# KiCad board Zynq_SoM.kicad_pcb (continued)
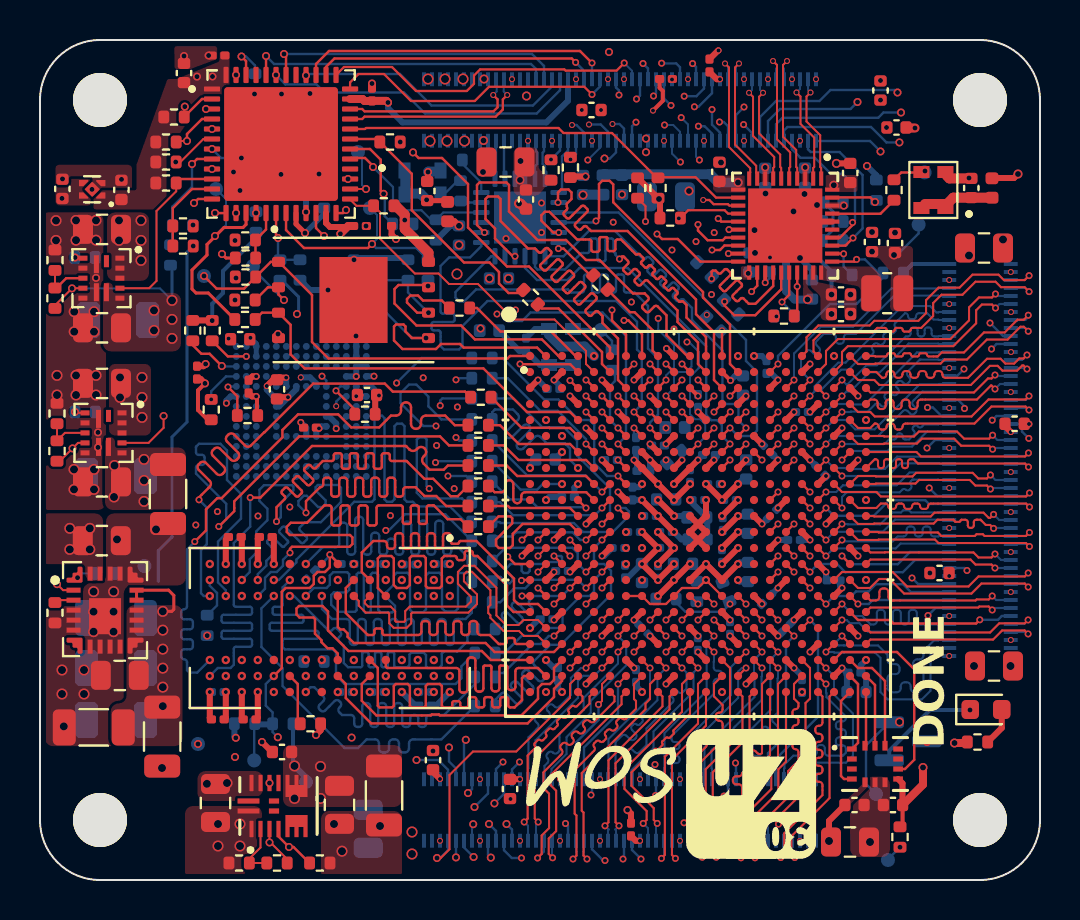
[diagram p0: board, top side]
## Routing (per net, layer and track width the routed paths; a pad name or vN(x,y) marks a point on that pad's centre or on a via; arc(x,y) is an arc through that point) (continued)
IO_L13_MRCC_N_34: length 6.3
  L1 (Sig) w0.104: U2.M20 v1(40.1,17.8)
  L8 (Sig) w0.104: v1(40.1,17.8) 40.37,17.8 40.39,17.78 42.01,17.78 42.61,18.38 43.05,18.38 43.16,18.48 43.45,18.48 43.56,18.38 44.91,18.38 44.93,18.4 J3.64
IO_L13_MRCC_N_35: length 11.1
  L1 (Sig) w0.104: v1(47.78,28.6) 47.6,28.77 47.09,28.77 46.81,28.49 46.81,27.84 45.66,26.69 40.39,26.69 40.1,26.4 40.1,25.8 U2.B20
  L8 (Sig) w0.104: v1(47.78,28.6) 47.97,28.8 J3.11
IO_L13_MRCC_P_13: length 7.8
  L1 (Sig) w0.104: U2.Y6 v1(28.1,10.6)
  L8 (Sig) w0.104: J2.29 24.8,5.57 24.78,5.59 24.78,6.99 26.9,9.11 26.9,9.95 27.16,10.21 27.71,10.21 v1(28.1,10.6)
IO_L13_MRCC_P_34: length 7.2
  L1 (Sig) w0.104: U2.M19 v1(39.3,17)
  L8 (Sig) w0.104: v1(39.3,17) 39.71,17.41 40.37,17.41 40.39,17.43 42.16,17.43 42.75,18.02 44.91,18.02 44.93,18 J3.66
IO_L13_MRCC_P_35: length 12.1
  L1 (Sig) w0.104: U2.B19 39.3,25.8 39.3,26.45 39.9,27.05 45.52,27.05 46.45,27.98 46.45,28.63 46.95,29.13 47.6,29.13 v1(47.78,29.3)
  L8 (Sig) w0.104: v1(47.78,29.3) 47.88,29.2 J3.9
IO_L14_N_SRCC_13: length 5.9
  L1 (Sig) w0.1: v1(27.93,8.78) 28.1,8.95 28.1,9.8 U2.AA6
  L8 (Sig) w0.12: v1(27.93,8.78) 27.93,8 26.8,6.88 J2.39
IO_L14_P_SRCC_13: length 6
  L1 (Sig) w0.1: U2.AA7 v1(28.9,9.8)
  L8 (Sig) w0.12: v1(28.9,9.8) 28.9,8.33 27.2,6.62 J2.41
IO_L14_SRCC_N_33: length 9.4
  L1 (Sig) w0.104: U2.Y16 v1(36.9,10.6)
  L8 (Sig) w0.104: v1(36.9,10.6) 36.9,10.1 36.88,10.07 36.88,8.36 36.65,8.13 arc(36.6,8.02) 36.65,7.91 36.87,7.69 arc(36.92,7.57) 36.87,7.46 36.81,7.4 arc(36.7,7.36) 36.59,7.4 36.37,7.62 arc(36.26,7.67) 36.14,7.62 36.09,7.57 arc(36.04,7.45) 36.09,7.34 36.3,7.12 arc(36.35,7.01) 36.3,6.9 36.25,6.84 arc(36.13,6.79) 36.02,6.84 35.8,7.06 arc(35.69,7.1) 35.58,7.06 35.58,6.37 arc(35.62,6.26) 35.74,6.21 35.94,6.21 arc(36.06,6.16) 36.1,6.05 36.1,5.97 arc(36.06,5.86) 35.94,5.81 35.74,5.81 arc(35.62,5.76) 35.58,5.65 35.58,5.59 35.6,5.57 J2.83
IO_L14_SRCC_N_34: length 7.5
  L1 (Sig) w0.104: U2.N20 v1(40.1,17)
  L8 (Sig) w0.104: v1(40.1,17) 40.17,16.93 42.64,16.93 42.88,17.18 43.17,17.18 arc(43.29,17.22) 43.33,17.34 43.33,17.52 arc(43.38,17.63) 43.49,17.68 43.57,17.68 arc(43.69,17.63) 43.73,17.52 43.73,17.34 arc(43.78,17.22) 43.89,17.18 43.97,17.18 arc(44.09,17.22) 44.13,17.34 44.13,17.52 arc(44.18,17.63) 44.29,17.68 44.37,17.68 arc(44.49,17.63) 44.53,17.52 44.53,17.34 arc(44.58,17.22) 44.69,17.18 44.91,17.18 44.93,17.2 J3.70
IO_L14_SRCC_N_35: length 8.3
  L1 (Sig) w0.104: U2.C20 v1(40.1,25)
  L8 (Sig) w0.104: J3.20 44.93,27.2 44.91,27.18 44.72,27.18 arc(44.62,27.22) 44.58,27.32 44.58,27.49 arc(44.54,27.59) 44.44,27.63 44.37,27.63 arc(44.27,27.59) 44.23,27.49 44.23,27.32 arc(44.19,27.22) 44.09,27.18 44.02,27.18 arc(43.92,27.22) 43.88,27.32 43.88,27.49 arc(43.84,27.59) 43.74,27.63 43.67,27.63 arc(43.57,27.59) 43.53,27.49 43.53,27.32 arc(43.49,27.22) 43.39,27.18 43.29,27.18 41.85,25.74 41.33,25.74 40.37,24.78 40.32,24.78 v1(40.1,25)
IO_L14_SRCC_P_33: length 7.6
  L1 (Sig) w0.104: U2.W16 v1(36.9,11.4)
  L8 (Sig) w0.104: J2.81 35.2,5.57 35.22,5.59 35.22,7.2 36.52,8.5 36.52,10.07 36.5,10.1 36.5,11 v1(36.9,11.4)
IO_L14_SRCC_P_34: length 7
  L1 (Sig) w0.104: U2.N19 v1(39.3,16.2)
  L8 (Sig) w0.104: J3.72 44.93,16.8 44.91,16.82 43.03,16.82 42.78,16.58 39.68,16.58 v1(39.3,16.2)
IO_L14_SRCC_P_35: length 7
  L1 (Sig) w0.104: U2.D20 v1(40.1,24.2)
  L8 (Sig) w0.104: J3.22 44.93,26.8 44.91,26.82 43.43,26.82 41.99,25.38 41.47,25.38 40.51,24.42 40.32,24.42 v1(40.1,24.2)
IO_L15_DQS_N_34: length 9.4
  L1 (Sig) w0.104: U2.M22 41.91,17.4 41.93,17.38 44.89,17.38 45.07,17.2 46.74,17.2 46.83,17.29 47.14,17.29 47.23,17.2 49.3,17.2 v1(49.47,17.38)
  L8 (Sig) w0.104: J3.69 49.3,17.2 v1(49.47,17.38)
IO_L15_DQS_N_35: length 10.5
  L1 (Sig) w0.104: v1(49.41,28.24) 49.19,28.02 48.88,28.02 48.24,27.38 47.2,27.38 46.2,26.38 45.09,26.38 44.89,26.18 44.43,26.18 arc(44.38,26.2) 44.35,26.26 arc(44.33,26.31) 44.27,26.34 44.03,26.34 arc(43.98,26.31) 43.95,26.26 arc(43.93,26.2) 43.87,26.18 43.63,26.18 arc(43.58,26.2) 43.55,26.26 arc(43.53,26.31) 43.47,26.34 43.23,26.34 arc(43.18,26.31) 43.15,26.26 arc(43.13,26.2) 43.07,26.18 42.83,26.18 arc(42.78,26.2) 42.75,26.26 arc(42.73,26.31) 42.67,26.34 42.43,26.34 arc(42.38,26.31) 42.35,26.26 arc(42.33,26.2) 42.27,26.18 41.77,26.18 41.75,26.2 U2.A22
  L8 (Sig) w0.104: J3.15 49.27,28 49.41,28.14 v1(49.41,28.24)
IO_L15_DQS_P_34: length 10.3
  L1 (Sig) w0.104: v1(49.47,16.67) 49.3,16.85 44.92,16.85 44.75,17.02 41.93,17.02 41.91,17 40.9,17 U2.M21
  L8 (Sig) w0.104: J3.71 49.35,16.8 v1(49.47,16.67)
IO_L15_DQS_P_35: length 10.9
  L1 (Sig) w0.104: v1(49.41,27.44) 49.19,27.66 49.02,27.66 48.38,27.02 47.34,27.02 46.34,26.02 45.23,26.02 45.03,25.82 41.77,25.82 41.75,25.8 40.9,25.8 U2.A21
  L8 (Sig) w0.104: J3.17 49.27,27.6 49.41,27.46 v1(49.41,27.44)
IO_L15_N_33: length 23.2
  L1 (Sig) w0.12: U2.U16 v1(36.9,13)
  L6 (Sig+Pwr) w0.135: v1(36.9,13) 37.43,13.53 37.95,13.53 38.1,13.38 38.1,11.78 38,11.67 38,10.97 38.75,10.22 38.75,4.57 37.75,3.57 36.29,3.57 35.15,2.43 33.38,2.43 32.47,1.53 32.47,0.9 32.18,0.6 30.5,0.6 v1(30.05,1.05)
  L8 (Sig) w0.12: v1(30.05,1.05) 29.6,1.5 J2.54
IO_L15_P_13: length 7.9
  L4 (Sig+Pwr) w0.135: v1(25.3,9.4) 25.1,9.2 22.79,9.2 20.45,6.86 v4(20.45,6.62)
  L8 (Sig) w0.12: v4(20.45,6.62) 20.45,5.93 20.8,5.58 J2.9
IO_L15_P_33: length 10.6
  L1 (Sig) w0.12: U2.V15 v1(36.1,12.2)
  L6 (Sig+Pwr) w0.135: v1(34.2,4.2) 34.2,4.32 36.5,6.62 36.5,11.8 v1(36.1,12.2)
  L8 (Sig) w0.12: v1(34.2,4.2) 34.4,4.4 J2.77
IO_L16_N_13: length 9.9
  L1 (Sig) w0.1: 24.38,3.07 v1(24.21,2.9)
  L1 (Sig) w0.104: v1(24.21,2.9) 24.38,3.07 24.38,6.22 24.74,6.58 arc(24.77,6.64) 24.74,6.71 arc(24.71,6.78) 24.74,6.84 24.89,6.99 arc(24.95,7.02) 25.02,6.99 arc(25.09,6.97) 25.15,6.99 25.3,7.14 arc(25.33,7.21) 25.3,7.28 arc(25.28,7.34) 25.3,7.41 25.45,7.56 arc(25.52,7.59) 25.59,7.56 arc(25.65,7.53) 25.72,7.56 25.87,7.71 arc(25.9,7.78) 25.87,7.84 arc(25.84,7.91) 25.87,7.97 26.02,8.12 arc(26.09,8.15) 26.15,8.12 arc(26.22,8.1) 26.28,8.12 26.43,8.28 arc(26.46,8.34) 26.43,8.41 arc(26.41,8.47) 26.43,8.54 26.59,8.69 arc(26.65,8.72) 26.72,8.69 arc(26.78,8.66) 26.85,8.69 27.12,8.96 27.12,9.18 U2.AB4
  L8 (Sig) w0.104: v1(24.21,2.9) 24.4,2.71 J2.28
IO_L16_N_33: length 8.3
  L1 (Sig) w0.1: v1(37.7,12.2) U2.V17
  L8 (Sig) w0.12: v1(37.7,12.2) 37.3,11.8 37.3,7.24 36.4,6.34 J2.87
IO_L16_N_34: length 7.5
  L1 (Sig) w0.104: U2.P22 41.52,16.02 46.53,16.02 46.78,15.77 47.58,15.77 v1(47.75,15.6)
  L8 (Sig) w0.104: v1(47.75,15.6) J3.77
IO_L16_N_35: length 7.7
  L1 (Sig) w0.104: U2.C22 41.52,24.38 46.7,24.38 47.4,25.08 47.58,25.08 v1(47.75,25.25)
  L8 (Sig) w0.104: v1(47.75,25.25) 47.8,25.2 J3.29
IO_L16_P_13: length 8.8
  L1 (Sig) w0.104: v1(24.91,2.9) 24.74,3.07 24.74,6.08 27.48,8.82 27.48,9.18 U2.AB5
  L8 (Sig) w0.104: v1(24.91,2.9) 24.8,2.79 J2.30
IO_L16_P_34: length 7.6
  L1 (Sig) w0.104: U2.N22 41.52,16.38 42.24,16.38 42.25,16.39 42.64,16.39 42.65,16.38 46.67,16.38 46.92,16.13 47.58,16.13 v1(47.75,16.3)
  L8 (Sig) w0.104: v1(47.75,16.3) 48.05,16 J3.75
IO_L16_P_35: length 9.9
  L1 (Sig) w0.1: 47.68,24.62 v1(47.75,24.55)
  L1 (Sig) w0.104: v1(47.75,24.55) 47.58,24.72 47.54,24.72 46.84,24.02 44.04,24.02 arc(43.93,23.98) 43.88,23.86 43.88,23.71 arc(43.83,23.59) 43.72,23.55 43.64,23.55 arc(43.53,23.59) 43.48,23.71 43.48,23.86 arc(43.43,23.98) 43.32,24.02 43.24,24.02 arc(43.13,23.98) 43.08,23.86 43.08,23.71 arc(43.03,23.59) 42.92,23.55 42.84,23.55 arc(42.73,23.59) 42.68,23.71 42.68,23.86 arc(42.63,23.98) 42.52,24.02 42.44,24.02 arc(42.33,23.98) 42.28,23.86 42.28,23.71 arc(42.23,23.59) 42.12,23.55 42.04,23.55 arc(41.93,23.59) 41.88,23.71 41.88,23.86 arc(41.83,23.98) 41.72,24.02 41.52,24.02 U2.D22
  L8 (Sig) w0.104: J3.31 48,24.8 v1(47.75,24.55)
IO_L17_N_13: length 12.5
  L1 (Sig) w0.104: v1(24.88,1.1) 25.08,1.3 25.08,2.22 25.45,2.59 25.45,4.32 25.17,4.6 25.17,5.38 26.08,6.29 arc(26.13,6.4) 26.08,6.52 26.06,6.54 arc(26.01,6.65) 26.06,6.76 26.12,6.82 arc(26.23,6.87) 26.34,6.82 26.36,6.8 arc(26.48,6.75) 26.59,6.8 26.64,6.86 arc(26.69,6.97) 26.64,7.08 26.62,7.1 arc(26.58,7.21) 26.62,7.33 26.68,7.38 arc(26.79,7.43) 26.91,7.38 26.93,7.36 arc(27.04,7.32) 27.15,7.36 27.21,7.42 arc(27.26,7.53) 27.21,7.65 27.19,7.67 arc(27.14,7.78) 27.19,7.89 27.25,7.95 arc(27.36,8) 27.47,7.95 27.49,7.93 arc(27.61,7.88) 27.72,7.93 28.72,8.93 28.72,9.18 U2.AB6
  L8 (Sig) w0.104: v1(24.88,1.1) 25.2,1.42 J2.32
IO_L17_N_33: length 10
  L1 (Sig) w0.104: U2.AB17 37.3,5.92 36.92,5.54 36.92,4.4 35.58,3.06 35.58,1.28 v1(35.75,1.11)
  L8 (Sig) w0.104: v1(35.75,1.11) 35.57,1.28 35.57,1.41 35.6,1.43 J2.84
IO_L17_N_34: length 10.8
  L1 (Sig) w0.104: U2.R21 40.9,14.6 41.5,14.6 41.95,15.05 42.48,15.05 43.21,14.32 46.57,14.32 47.07,14.82 49.24,14.82 v1(49.41,14.65)
  L8 (Sig) w0.104: J3.81 49.26,14.8 v1(49.41,14.65)
IO_L17_N_35: length 10.7
  L1 (Sig) w0.104: U2.D21 40.9,23.4 41.51,23.4 41.74,23.18 46.58,23.18 47.43,24.03 49.28,24.03 v1(49.45,24.2)
  L8 (Sig) w0.104: J3.35 49.3,24 49.45,24.15 v1(49.45,24.2)
IO_L17_P_13: length 11.1
  L1 (Sig) w0.104: v1(25.63,1.11) 25.44,1.3 25.44,2.08 25.81,2.45 25.81,4.46 25.53,4.74 25.53,5.24 29.08,8.79 29.08,9.18 U2.AB7
  L8 (Sig) w0.104: v1(25.63,1.11) 25.6,1.14 J2.34
IO_L17_P_33: length 11
  L1 (Sig) w0.104: U2.AA17 36.9,9.8 36.9,6.02 36.56,5.68 36.56,4.54 35.22,3.2 35.22,1.28 v1(35.05,1.11)
  L8 (Sig) w0.104: J2.82 35.2,1.43 35.22,1.41 35.22,1.28 v1(35.05,1.11)
IO_L17_P_34: length 11.4
  L1 (Sig) w0.104: U2.R20 40.1,15.4 42.63,15.4 43.35,14.68 46.43,14.68 46.93,15.18 49.24,15.18 v1(49.41,15.35)
  L8 (Sig) w0.104: J3.79 49.26,15.2 v1(49.41,15.35)
IO_L17_P_35: length 11.3
  L1 (Sig) w0.104: v1(49.45,23.5) 49.28,23.67 47.57,23.67 46.72,22.82 43.28,22.82 arc(43.17,22.78) 43.13,22.67 arc(43.09,22.57) 42.98,22.52 42.88,22.52 arc(42.77,22.57) 42.73,22.67 arc(42.69,22.78) 42.58,22.82 42.48,22.82 arc(42.37,22.78) 42.33,22.67 arc(42.29,22.57) 42.18,22.52 42.08,22.52 arc(41.97,22.57) 41.93,22.67 arc(41.89,22.78) 41.78,22.82 41.74,22.82 41.51,22.6 40.9,22.6 U2.E21
  L8 (Sig) w0.104: J3.37 49.35,23.6 v1(49.45,23.5)
IO_L18_N_13: length 14.6
  L1 (Sig) w0.1: v4(19.85,1.1) 20.04,1.1 20.47,1.54 20.47,5.25 21.65,6.42 23.81,6.42 26.5,9.11 26.5,9.8 U2.AA4
  L8 (Sig) w0.12: v4(19.85,1.1) 20.01,1.1 20.4,1.49 J2.8
IO_L18_N_33: length 8.3
  L1 (Sig) w0.104: v1(34.75,2.91) 34.58,3.08 34.58,3.09 35.46,3.97 35.46,5.2 36.5,6.24 U2.AB16
  L8 (Sig) w0.104: J2.80 34.8,2.57 34.75,2.62 v1(34.75,2.91)
IO_L18_N_34: length 6.3
  L1 (Sig) w0.12: U2.P21 v1(40.1,16.2)
  L8 (Sig) w0.12: J3.74 43.5,16.4 42.89,15.79 40.51,15.79 v1(40.1,16.2)
IO_L18_N_35: length 11.4
  L1 (Sig) w0.104: U2.B22 41.82,25.4 42.11,25.11 42.16,25.11 arc(42.27,25.15) 42.32,25.27 42.32,25.29 arc(42.37,25.4) 42.48,25.45 42.56,25.45 arc(42.67,25.4) 42.72,25.29 42.72,25.27 arc(42.77,25.15) 42.88,25.11 42.96,25.11 arc(43.07,25.15) 43.12,25.27 43.12,25.29 arc(43.17,25.4) 43.28,25.45 43.36,25.45 arc(43.47,25.4) 43.52,25.29 43.52,25.27 arc(43.57,25.15) 43.68,25.11 43.76,25.11 arc(43.87,25.15) 43.92,25.27 43.92,25.29 arc(43.97,25.4) 44.08,25.45 44.16,25.45 arc(44.27,25.4) 44.32,25.29 44.32,25.27 arc(44.37,25.15) 44.48,25.11 44.56,25.11 arc(44.67,25.15) 44.72,25.27 44.72,25.29 arc(44.77,25.4) 44.88,25.45 44.96,25.45 arc(45.07,25.4) 45.12,25.29 45.12,25.27 arc(45.17,25.15) 45.28,25.11 46.4,25.11 47.35,26.06 48.03,26.06 48.27,25.82 48.71,25.82 48.96,26.08 49.18,26.08 v1(49.35,26.25)
  L8 (Sig) w0.104: v1(49.35,26.25) 49.1,26 J3.25
IO_L18_P_13: length 9.7
  L1 (Sig) w0.12: U2.Y4 v1(26.5,10.6)
  L4 (Sig+Pwr) w0.135: v4(21.29,7.01) 21.51,7.01 23,8.5 25.1,8.5 25.7,9.1 25.7,9.8 v1(26.5,10.6)
  L8 (Sig) w0.12: v4(21.29,7.01) 21.2,6.92 J2.11
IO_L18_P_33: length 10.7
  L1 (Sig) w0.104: U2.AA16 36.1,9.8 36.1,6.34 arc(35.99,6.29) 35.87,6.34 35.78,6.44 arc(35.66,6.49) 35.55,6.44 35.49,6.38 arc(35.45,6.27) 35.49,6.16 35.59,6.06 arc(35.64,5.94) 35.59,5.83 35.1,5.34 arc(35.06,5.23) 34.94,5.18 34.8,5.18 arc(34.69,5.14) 34.64,5.02 34.64,4.94 arc(34.69,4.83) 34.8,4.78 34.94,4.78 arc(35.06,4.74) 35.1,4.62 35.1,4.11 34.22,3.23 34.22,3.08 v1(34.05,2.91)
  L8 (Sig) w0.104: v1(34.05,2.91) 34.4,2.56 J2.78
IO_L18_P_35: length 10.6
  L1 (Sig) w0.104: U2.B21 40.9,25 41.72,25 41.96,24.75 46.54,24.75 47.5,25.71 47.88,25.71 48.12,25.47 48.85,25.47 49.11,25.72 49.18,25.72 v1(49.35,25.55)
  L8 (Sig) w0.104: J3.27 49.3,25.6 v1(49.35,25.55)
IO_L19_N_VREF_35: length 6.2
  L1 (Sig) w0.104: U2.H20 v1(40.1,20.2)
  L8 (Sig) w0.104: J3.52 44.99,20.8 44.96,20.83 43.02,20.83 42.39,20.2 v1(40.1,20.2)
IO_L19_P_13: length 20.8
  L1 (Sig) w0.12: U2.R6 v1(28.1,14.6)
  L6 (Sig+Pwr) w0.135: v4(21.68,1.15) 20.97,1.85 20.97,4.94 22.43,6.4 26.17,6.4 28.5,8.73 28.5,14.2 v1(28.1,14.6)
  L8 (Sig) w0.12: v4(21.68,1.15) 21.2,1.63 J2.12
IO_L19_P_33: length 20.7
  L1 (Sig) w0.12: U2.V14 v1(35.3,12.2)
  L6 (Sig+Pwr) w0.135: v1(24.07,1.1) 24.5,1.53 28.38,1.53 29.55,2.7 29.55,2.92 30.18,3.55 31.18,3.55 34.9,7.28 34.9,11.8 v1(35.3,12.2)
  L8 (Sig) w0.12: J2.22 23.2,1.49 23.59,1.1 v1(24.07,1.1)
IO_L19_P_35: length 7.2
  L1 (Sig) w0.104: U2.H19 v1(39.3,21)
  L8 (Sig) w0.104: J3.50 45,21.2 44.97,21.17 42.85,21.17 42.24,20.55 40.33,20.55 40.28,20.6 39.7,20.6 v1(39.3,21)
IO_L19_VREF_N_33: length 20.1
  L1 (Sig) w0.12: U2.U15 v1(36.1,13)
  L6 (Sig+Pwr) w0.135: v1(36.1,13) 36.25,13 36.65,12.6 37.07,12.6 37.3,12.38 37.3,5.56 35.24,3.5 32.07,3.5 31.57,3 31.57,2.4 30.68,1.5 29.6,1.5 v1(29.15,1.05)
  L8 (Sig) w0.12: v1(29.15,1.05) 29.2,1.1 J2.52
IO_L20_N_33: length 16.1
  L1 (Sig) w0.12: U2.W13 v1(34.5,11.4)
  L4 (Sig+Pwr) w0.135: v1(34.5,11.4) 34.5,10.6 33.32,9.42 33.32,4.55 32.31,3.53 30.24,3.53 29.43,2.72 29.43,2.16 v1(28.25,0.97)
  L8 (Sig) w0.12: J2.44 27.6,1.54 28.16,0.97 v1(28.25,0.97)
IO_L20_N_34: length 8.1
  L1 (Sig) w0.12: U2.P18 v1(38.5,15.4)
  L8 (Sig) w0.12: J3.76 43.75,16 43.14,15.39 40.26,15.39 39.85,15.8 38.9,15.8 v1(38.5,15.4)
IO_L20_N_35: length 8
  L1 (Sig) w0.104: U2.F19 v1(39.3,22.6)
  L8 (Sig) w0.104: J3.32 44.93,24.8 44.91,24.78 43.98,24.78 41.73,22.53 40.76,22.53 40.29,23 39.7,23 v1(39.3,22.6)
IO_L20_P_33: length 12.1
  L1 (Sig) w0.12: U2.V13 v1(33.7,13)
  L4 (Sig+Pwr) w0.135: v1(30.78,4.22) 31.95,4.22 32.5,4.78 32.5,9.5 33.3,10.3 33.3,12.6 v1(33.7,13)
  L8 (Sig) w0.12: J2.59 30.8,4.25 v1(30.78,4.22)
IO_L20_P_34: length 18.4
  L1 (Sig) w0.12: U2.P17 v1(37.7,15.4)
  L6 (Sig+Pwr) w0.135: v1(37.7,15.4) 38.1,15.8 42.55,15.8 46.97,20.22 46.97,24.78 v1(46.2,25.55)
  L8 (Sig) w0.12: v1(46.2,25.55) 45.85,25.2 J3.30
IO_L20_P_35: length 8.5
  L1 (Sig) w0.104: U2.G19 v1(39.3,21.8)
  L8 (Sig) w0.104: v1(39.3,21.8) 39.7,22.2 41.9,22.2 43.15,23.45 arc(43.26,23.5) 43.38,23.45 43.5,23.32 arc(43.62,23.28) 43.73,23.32 43.79,23.38 arc(43.83,23.49) 43.79,23.61 43.66,23.73 arc(43.61,23.85) 43.66,23.96 44.12,24.42 44.91,24.42 44.93,24.4 J3.34
IO_L21_DQS_N_33: length 8.6
  L1 (Sig) w0.104: U2.Y15 v1(36.1,10.6)
  L8 (Sig) w0.104: v1(36.1,10.6) 36.1,10.19 36.08,10.17 36.08,9 34.7,7.62 arc(34.65,7.51) 34.7,7.39 34.81,7.28 arc(34.86,7.17) 34.81,7.05 34.76,7 arc(34.64,6.95) 34.53,7 34.42,7.11 arc(34.3,7.16) 34.19,7.11 34.13,7.05 arc(34.09,6.94) 34.13,6.83 34.25,6.71 arc(34.3,6.6) 34.25,6.49 34.19,6.43 arc(34.08,6.38) 33.97,6.43 33.85,6.54 arc(33.74,6.59) 33.63,6.54 33.58,6.5 33.58,5.59 33.6,5.57 J2.73
IO_L21_DQS_N_35: length 8.7
  L1 (Sig) w0.104: U2.E20 v1(40.1,23.4)
  L8 (Sig) w0.104: J3.26 44.93,26 44.91,26.02 43.99,26.02 43.4,25.43 arc(43.35,25.31) 43.4,25.2 43.46,25.13 arc(43.51,25.02) 43.46,24.9 43.41,24.85 arc(43.29,24.8) 43.18,24.85 43.11,24.92 arc(43,24.96) 42.89,24.92 42.83,24.86 arc(42.78,24.75) 42.83,24.63 42.9,24.56 arc(42.95,24.45) 42.9,24.34 42.84,24.28 arc(42.73,24.24) 42.62,24.28 42.55,24.35 arc(42.43,24.4) 42.32,24.35 42.26,24.29 arc(42.22,24.18) 42.26,24.07 42.33,24 arc(42.38,23.89) 42.33,23.77 42.28,23.72 arc(42.16,23.67) 42.05,23.72 41.98,23.78 arc(41.87,23.83) 41.76,23.78 41.39,23.42 40.55,23.42 40.52,23.4 v1(40.1,23.4)
IO_L21_DQS_P_33: length 8.1
  L1 (Sig) w0.104: U2.W15 v1(36.1,11.4)
  L8 (Sig) w0.104: v1(36.1,11.4) 35.7,11 35.7,10.19 35.72,10.17 35.72,9.14 33.22,6.64 33.22,5.59 33.2,5.57 J2.71
IO_L21_DQS_P_35: length 8
  L1 (Sig) w0.104: U2.E19 v1(39.3,23.4)
  L8 (Sig) w0.104: J3.24 44.93,26.4 44.91,26.38 43.85,26.38 41.25,23.78 40.55,23.78 40.52,23.8 39.7,23.8 v1(39.3,23.4)
IO_L21_P_13: length 13.3
  L1 (Sig) w0.12: U2.V5 v1(27.3,12.2)
  L4 (Sig+Pwr) w0.12: v1(27.3,12.2) 27.27,12.17
  L4 (Sig+Pwr) w0.135: v1(27.3,12.2) 27.7,11.8 27.7,9.15 25.7,7.15 23.5,7.15 21.4,5.05 v4(21.4,4.35)
  L8 (Sig) w0.12: v4(21.4,4.35) 21.6,4.55 J2.13
IO_L22_N_33: length 7.3
  L1 (Sig) w0.104: U2.AA14 v1(35.3,10.6)
  L8 (Sig) w0.104: v1(35.3,10.6) 35.09,10.6 34.91,10.42 34.91,9.11 32.78,6.98 32.78,5.59 32.8,5.57 J2.69
IO_L22_N_34: length 7.3
  L1 (Sig) w0.1: U2.T19 v1(39.3,13.8)
  L8 (Sig) w0.12: v1(39.3,13.8) 39.7,14.2 40.57,14.2 40.8,14.43 41.43,14.43 41.79,14.79 43.15,14.79 43.54,14.4 J3.84
IO_L22_N_35: length 6.5
  L1 (Sig) w0.104: U2.G21 v1(40.1,21)
  L8 (Sig) w0.104: v1(40.1,21) 40.55,21.45 42.38,21.45 42.6,21.67 43.6,21.67 44.35,22.42 44.91,22.42 44.93,22.4 J3.44
IO_L22_P_13: length 12.8
  L1 (Sig) w0.12: U2.U6 v1(28.1,13)
  L4 (Sig+Pwr) w0.135: v1(28.1,13) 28.5,12.6 28.5,8.35 26.7,6.55 23.85,6.55 23.2,5.9 v1(23.15,5.9)
  L8 (Sig) w0.12: v1(23.15,5.9) 22.8,5.55 J2.19
IO_L22_P_33: length 8.1
  L1 (Sig) w0.104: v1(35.3,11.4) U2.Y14
  L8 (Sig) w0.104: v1(35.3,11.4) 34.55,10.65 34.55,9.25 32.42,7.12 32.42,5.59 32.4,5.57 J2.67
IO_L22_P_35: length 7.1
  L1 (Sig) w0.104: U2.G20 v1(40.1,21.8)
  L8 (Sig) w0.104: v1(40.1,21.8) 42.23,21.8 42.46,22.03 42.71,22.03 arc(42.79,22.06) 42.83,22.15 42.83,22.21 arc(42.87,22.29) 42.95,22.33 43.01,22.33 arc(43.09,22.29) 43.13,22.21 43.13,22.15 arc(43.17,22.06) 43.25,22.03 43.46,22.03 43.7,22.27 arc(43.74,22.36) 43.7,22.44 43.66,22.49 arc(43.63,22.57) 43.66,22.66 43.7,22.7 arc(43.79,22.73) 43.87,22.7 43.92,22.66 arc(44,22.62) 44.09,22.66 44.21,22.78 44.91,22.78 44.93,22.8 J3.42
IO_L23_N_13: length 8.8
  L1 (Sig) w0.104: U2.W7 v1(28.9,11.4)
  L8 (Sig) w0.104: v1(28.9,11.4) 28.9,10.82 27.18,9.1 27.18,8.5 25.97,7.29 25.97,6.45 25.88,6.36 arc(25.77,6.32) 25.66,6.36 25.65,6.37 arc(25.54,6.42) 25.42,6.37 25.37,6.32 arc(25.32,6.2) 25.37,6.09 25.37,6.08 arc(25.42,5.97) 25.37,5.86 25.22,5.7 25.22,5.31 25.2,5.29 J2.31
IO_L23_N_33: length 10.3
  L1 (Sig) w0.104: v1(32.2,2.86) 32.37,3.03 32.37,5.73 33.3,6.66 arc(33.35,6.78) 33.3,6.89 33.28,6.91 arc(33.24,7.02) 33.28,7.14 33.34,7.19 arc(33.45,7.24) 33.57,7.19 33.59,7.17 arc(33.7,7.13) 33.81,7.17 34.13,7.49 34.13,7.8 arc(34.08,7.92) 33.97,7.96 33.94,7.96 arc(33.83,8.01) 33.78,8.12 33.78,8.2 arc(33.83,8.32) 33.94,8.36 33.97,8.36 arc(34.08,8.41) 34.13,8.52 34.13,8.75 33.7,9.18 33.7,9.8 U2.AA13
  L8 (Sig) w0.104: J2.68 32.4,2.66 v1(32.2,2.86)
IO_L23_N_35: length 7.7
  L1 (Sig) w0.104: v1(47.63,22.24) 47.46,22.07 46.2,22.07 45.85,22.42 43.95,22.42 43.7,22.18 42.21,22.18 42.19,22.2 U2.F22
  L8 (Sig) w0.104: v1(47.63,22.24) 47.87,22 J3.45
IO_L23_P_13: length 9.5
  L1 (Sig) w0.104: U2.V7 v1(28.9,12.2)
  L8 (Sig) w0.104: v1(28.9,12.2) 29.31,11.79 29.31,10.73 27.54,8.96 27.54,8.36 26.33,7.15 26.33,6.31 25.58,5.56 25.58,5.31 25.6,5.29 J2.33
IO_L23_P_33: length 10.1
  L1 (Sig) w0.104: v1(32.9,2.86) 32.73,3.03 32.73,5.59 34.5,7.36 34.5,10.6 U2.Y13
  L8 (Sig) w0.104: J2.70 32.8,2.76 v1(32.9,2.86)
IO_L23_P_34: length 8.9
  L1 (Sig) w0.12: U2.R18 v1(38.5,14.6)
  L6 (Sig+Pwr) w0.135: v1(38.5,14.6) 39.22,14.6 39.7,14.12 39.7,13.58 39.88,13.4 41.53,13.4 41.97,13.85 43.78,13.85 v1(44.4,13.22)
  L8 (Sig) w0.12: v1(44.4,13.22) 44.78,13.6 J3.88
IO_L23_P_35: length 8.6
  L1 (Sig) w0.104: v1(47.63,21.54) 47.46,21.71 46.06,21.71 45.7,22.07 44.09,22.07 43.85,21.82 42.21,21.82 42.19,21.8 40.9,21.8 U2.F21
  L8 (Sig) w0.104: J3.47 47.69,21.6 v1(47.63,21.54)
IO_L24_N_13: length 14.4
  L1 (Sig) w0.12: U2.W5 v1(27.3,11.4)
  L4 (Sig+Pwr) w0.135: v1(27.3,11.4) 26.9,11 26.9,9.5 25.15,7.75 23.2,7.75 21.45,6 v4(18.83,6)
  L8 (Sig) w0.12: v4(18.83,6) 19.91,6 20.4,5.51 J2.7
IO_L24_N_33: length 10.3
  L1 (Sig) w0.1: 33.64,1.31 v1(33.81,1.14)
  L1 (Sig) w0.104: U2.AB15 35.48,9.18 35.48,7.23 33.64,5.39 33.64,1.31 v1(33.81,1.14)
  L8 (Sig) w0.104: v1(33.81,1.14) 33.6,1.35 J2.74
IO_L24_N_34: length 22.7
  L1 (Sig) w0.12: U2.R16 v1(36.9,15.4)
  L6 (Sig+Pwr) w0.135: v1(47.57,26.55) 48.15,25.97 48.15,19.42 45.4,16.67 44.38,16.67 42.19,14.47 41.07,14.47 40.55,15 37.3,15 v1(36.9,15.4)
  L8 (Sig) w0.12: J3.21 47.82,26.8 v1(47.57,26.55)
IO_L24_N_35: length 9.2
  L1 (Sig) w0.104: v1(49.43,21.35) 49.25,21.18 44.05,21.18 43.82,21.4 U2.G22
  L8 (Sig) w0.104: v1(49.43,21.35) 49.28,21.2 J3.49
IO_L24_P_13: length 17
  L1 (Sig) w0.12: U2.W6 v1(28.1,11.4)
  L6 (Sig+Pwr) w0.135: v1(28.1,11.4) 28.1,11.17 27.7,10.78 27.7,9.3 25.35,6.95 22.01,6.95 20.4,5.34 20.4,1.53 v4(20.8,1.13)
  L8 (Sig) w0.12: J2.10 v4(20.8,1.13)
IO_L24_P_33: length 10.3
  L1 (Sig) w0.1: 33.29,1.31 v1(33.11,1.14)
  L1 (Sig) w0.104: v1(33.11,1.14) 33.28,1.31 33.28,5.53 35.12,7.37 35.12,9.18 U2.AB14
  L8 (Sig) w0.104: J2.72 33.2,1.23 v1(33.11,1.14)
IO_L24_P_34: length 9.7
  L1 (Sig) w0.12: U2.P16 v1(36.9,16.2)
  L4 (Sig+Pwr) w0.135: v1(43.6,15.1) 42.9,15.8 37.3,15.8 v1(36.9,16.2)
  L8 (Sig) w0.12: J3.82 43.9,14.8 v1(43.6,15.1)
IO_L24_P_35: length 11.5
  L1 (Sig) w0.104: U2.H22 41.74,21.04 41.78,21.04 arc(41.86,21) 41.9,20.92 41.9,20.72 arc(41.94,20.63) 42.02,20.6 42.08,20.6 arc(42.16,20.63) 42.2,20.72 42.2,20.92 arc(42.24,21) 42.32,21.04 42.38,21.04 arc(42.46,21) 42.5,20.92 42.5,20.72 arc(42.54,20.63) 42.62,20.6 42.68,20.6 arc(42.76,20.63) 42.8,20.72 42.8,20.92 arc(42.84,21) 42.92,21.04 42.98,21.04 arc(43.06,21) 43.1,20.92 43.1,20.72 arc(43.14,20.63) 43.22,20.6 43.28,20.6 arc(43.36,20.63) 43.4,20.72 43.4,20.92 arc(43.44,21) 43.52,21.04 43.68,21.04 43.9,20.82 49.25,20.82 v1(49.43,20.65)
  L8 (Sig) w0.104: J3.51 49.28,20.8 v1(49.43,20.65)
QSPI_CLK: length 7.5
  L1 (Sig) w0.12: v4(19.42,28.36) 18.86,28.36 18.35,28.88 18.35,29.05 18.53,29.22 18.9,29.22 19.15,28.97 20.09,28.97 R95.1
  L8 (Sig) w0.12: v4(19.42,28.36) 19.42,28.36 18.4,29.38 R13.1 17.26,29.99 TP11.1
QSPI_CLK_T/BM4: length 6.5
  L1 (Sig) w0.12: U2.A4 26.78,26.2 25.55,27.42 23.03,27.42 21.85,28.6 21.49,28.6 21.54,28.54
QSPI_D0/BM3: length 17.3
  L1 (Sig) w0.12: v4(19.3,27.1) 18.6,27.1 18.28,27.42 18.28,27.67 18.17,27.78 17.8,27.78 17.7,27.67 17.7,26.97 18.12,26.55 19.8,26.55 20.05,26.8 21,26.8 21.18,26.62 24.85,26.62 25.28,26.2 U2.A2
  L8 (Sig) w0.12: v4(19.3,27.1) 18.58,27.1 15.7,29.98 R76.1 14.96,29.99 TP7.1
QSPI_D1/BM1: length 23.7
  L1 (Sig) w0.12: U2.F6 v1(28.1,22.6) ; v4(12.2,29) 11.92,29.28 U11.2 11.39,29.64 R77.1 10.85,29
  L6 (Sig+Pwr) w0.135: v4(12.2,29) 20,29 24.47,24.53 25.26,24.53 26.79,23 27.7,23 v1(28.1,22.6)
  L8 (Sig) w0.12: v4(12.2,29) 10.65,30.55 TP8.1
QSPI_D2/BM2: length 19.4
  L1 (Sig) w0.12: R1.2 11.1,28.36 U11.3 12.53,27.76 12.53,26.28 13.23,25.58 22.17,25.58 24.35,23.4 26.5,23.4 U2.E4
QSPI_D3/BM0: length 12.3
  L1 (Sig) w0.12: U2.A3 25.93,26.2 25.09,27.03 21.75,27.03 21.05,27.72 18.83,27.72 17.72,28.83 17.72,29.55 17.92,29.75 19.35,29.75 v4(19.4,29.7)
  L8 (Sig) w0.12: R6.2 v4(19.4,29.7)
QSPI_~{CS}: length 20.5
  L1 (Sig) w0.12: v4(8.2,30.2) 8.83,29.57 10.2,29.57 11.54,30.91 U11.1 11.94,30.91 13.6,29.25 13.6,26.9 14.42,26.08 23.38,26.08 23.5,26.2 U2.A1
SDIO_CLK: length 19.1
  L1 (Sig) w0.12: U2.E14 v1(35.3,23.4)
  L4 (Sig+Pwr) w0.135: v1(35.3,23.4) 35.7,23.8 35.7,24.6 34.4,25.9 34.4,26.7 34.72,27.03 34.72,30.08 34.85,30.2 34.85,34.22 33.6,35.47 33.6,37.65 33.16,38.09 33.16,39.2 32.4,39.96 v2(32.4,40.04)
SDIO_CMD: length 21.1
  L1 (Sig) w0.12: U2.C8 v1(30.5,25)
  L4 (Sig+Pwr) w0.135: v1(32.63,40.82) 32.62,40.83 31.79,40.83 30.25,39.29 30.25,37.7 29.79,37.24 29.79,36.06 28.25,34.52 28.25,32.65 27.98,32.38 27.98,27.89 28.82,27.05 28.82,26.03 29.42,25.43 30.07,25.43 v1(30.5,25)
  L8 (Sig) w0.12: J1.69 32.8,40.65 v1(32.63,40.82)
SDIO_D0: length 21.5
  L1 (Sig) w0.12: U2.D8 v1(29.7,24.2)
  L4 (Sig+Pwr) w0.135: v1(31.08,40.84) 30.84,40.84 29.36,39.36 29.36,36.53 27.72,34.9 27.72,33.39 27.32,32.99 27.32,27.28 28.29,26.31 28.29,25.61 v1(29.7,24.2)
  L8 (Sig) w0.12: v1(31.08,40.84) 31.09,40.83 31.81,40.83 32,40.64 J1.65
SDIO_D1: length 17
  L1 (Sig) w0.12: U2.B11 v1(32.1,25.8)
  L4 (Sig+Pwr) w0.135: v1(31.55,38.73) 31.65,38.63 31.65,36.18 30.45,34.98 30.45,33.85 29.85,33.25 29.85,29.46 30.28,29.03 30.28,27 31.07,26.2 31.7,26.2 v1(32.1,25.8)
  L8 (Sig) w0.12: v1(31.55,38.73) 31.2,39.08 J1.61
SDIO_D2: length 19.8
  L1 (Sig) w0.12: U2.E13 34.11,23 v1(34.51,23.41)
  L4 (Sig+Pwr) w0.135: v1(32.72,38.66) 32.72,38.22 32.47,37.97 32.47,35.67 33.68,34.46 33.68,33.52 33.3,33.14 33.3,31.83 32.95,31.47 32.95,27.97 33.7,27.22 33.7,25.26 34.37,24.59 34.69,24.59 34.9,24.38 34.9,23.79 v1(34.51,23.41)
  L8 (Sig) w0.12: v1(32.72,38.66) 32.92,38.66 33.6,39.34 J1.73
SDIO_D3: length 18.5
  L1 (Sig) w0.12: U2.B9 v1(30.5,25.8)
  L4 (Sig+Pwr) w0.135: v1(32.21,39.19) 32.05,39.35 31.47,39.35 31.1,38.98 31.1,38.28 30.77,37.95 30.77,36.09 29.65,34.97 29.65,33.98 29.34,33.67 29.34,32.74 28.57,31.97 28.57,29.25 29.64,28.19 29.64,26.66 v1(30.5,25.8)